# Altium PCB layout_test_slave1a.PcbDoc
Units mil, origin at the board's own origin, x right, y up, seen from the top; angles counter-clockwise.
Board outline 4310 x 3270 mil, 2 copper layers (Top Layer, Bottom Layer); 35 components, 20 nets, 122 pads, 16 vias.
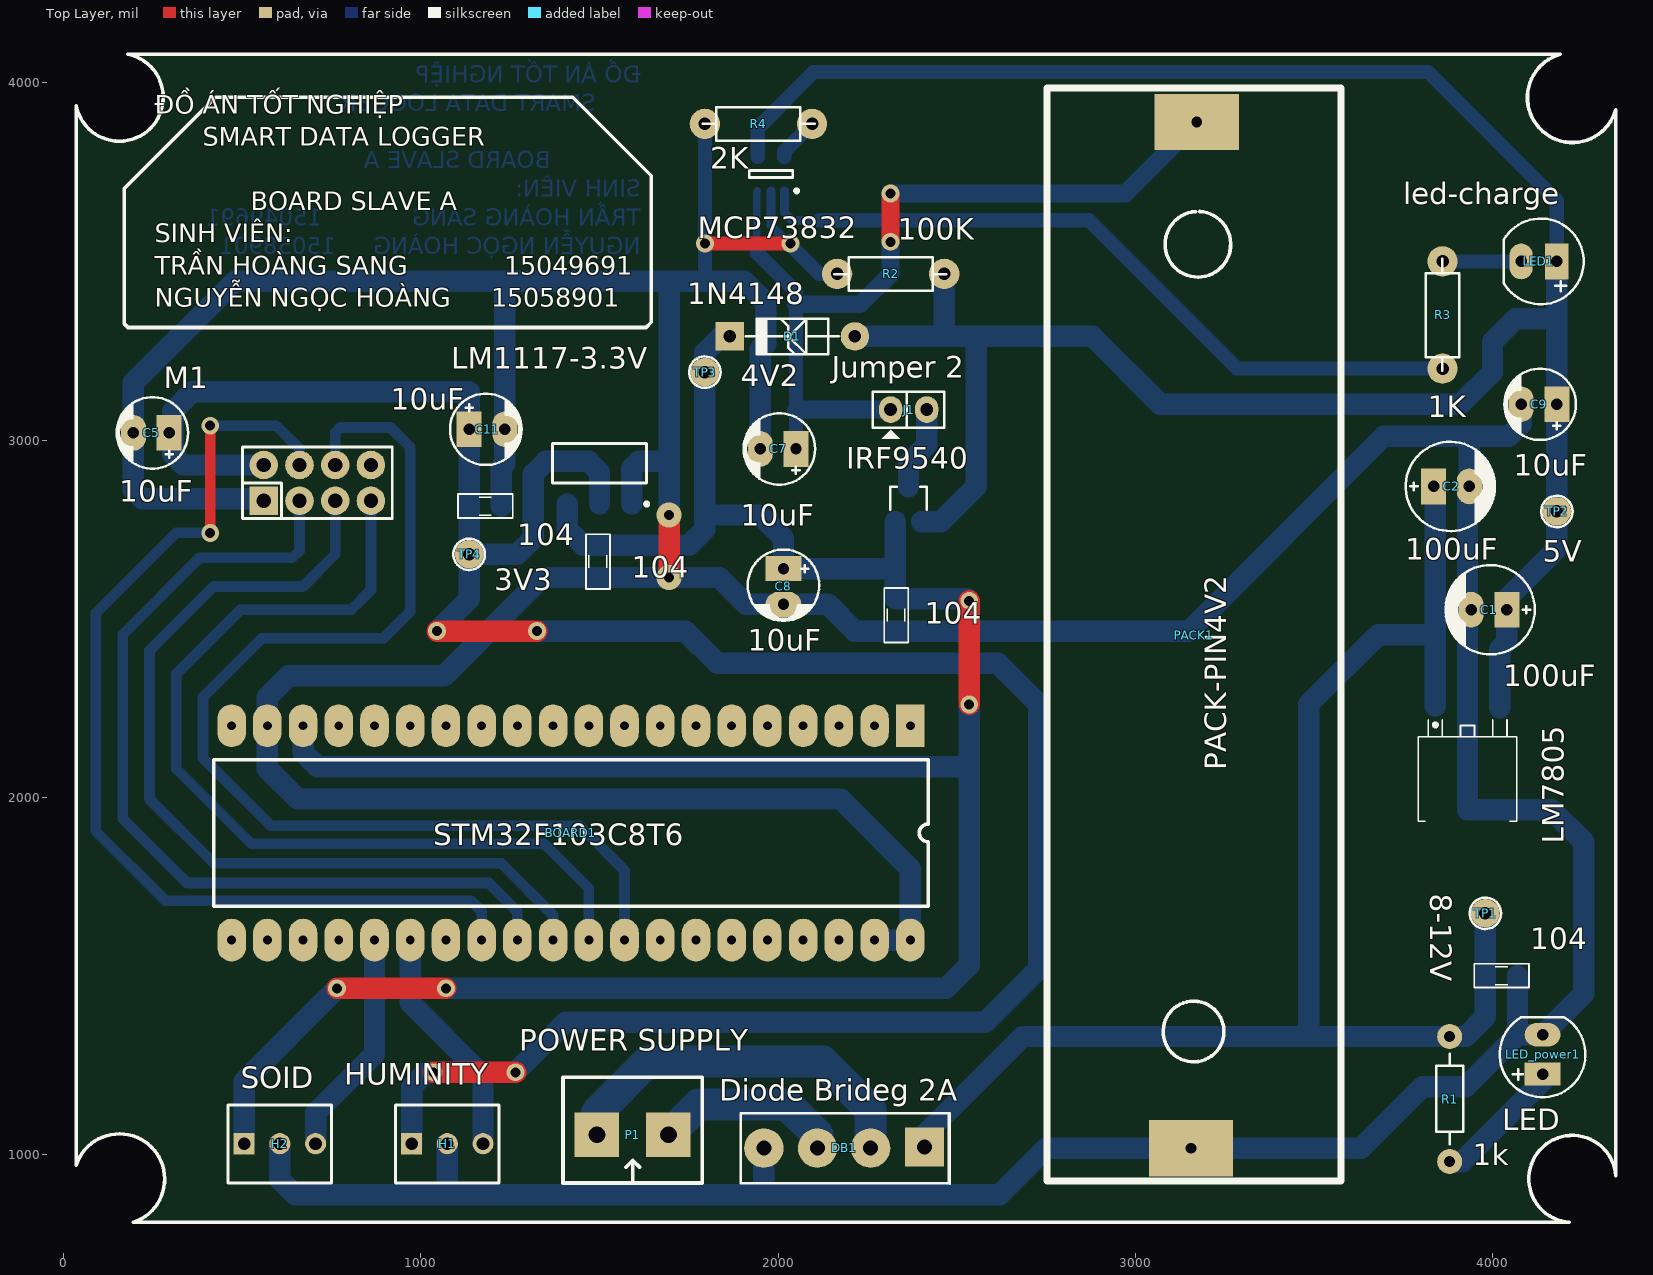
[diagram p0: Top Layer view]
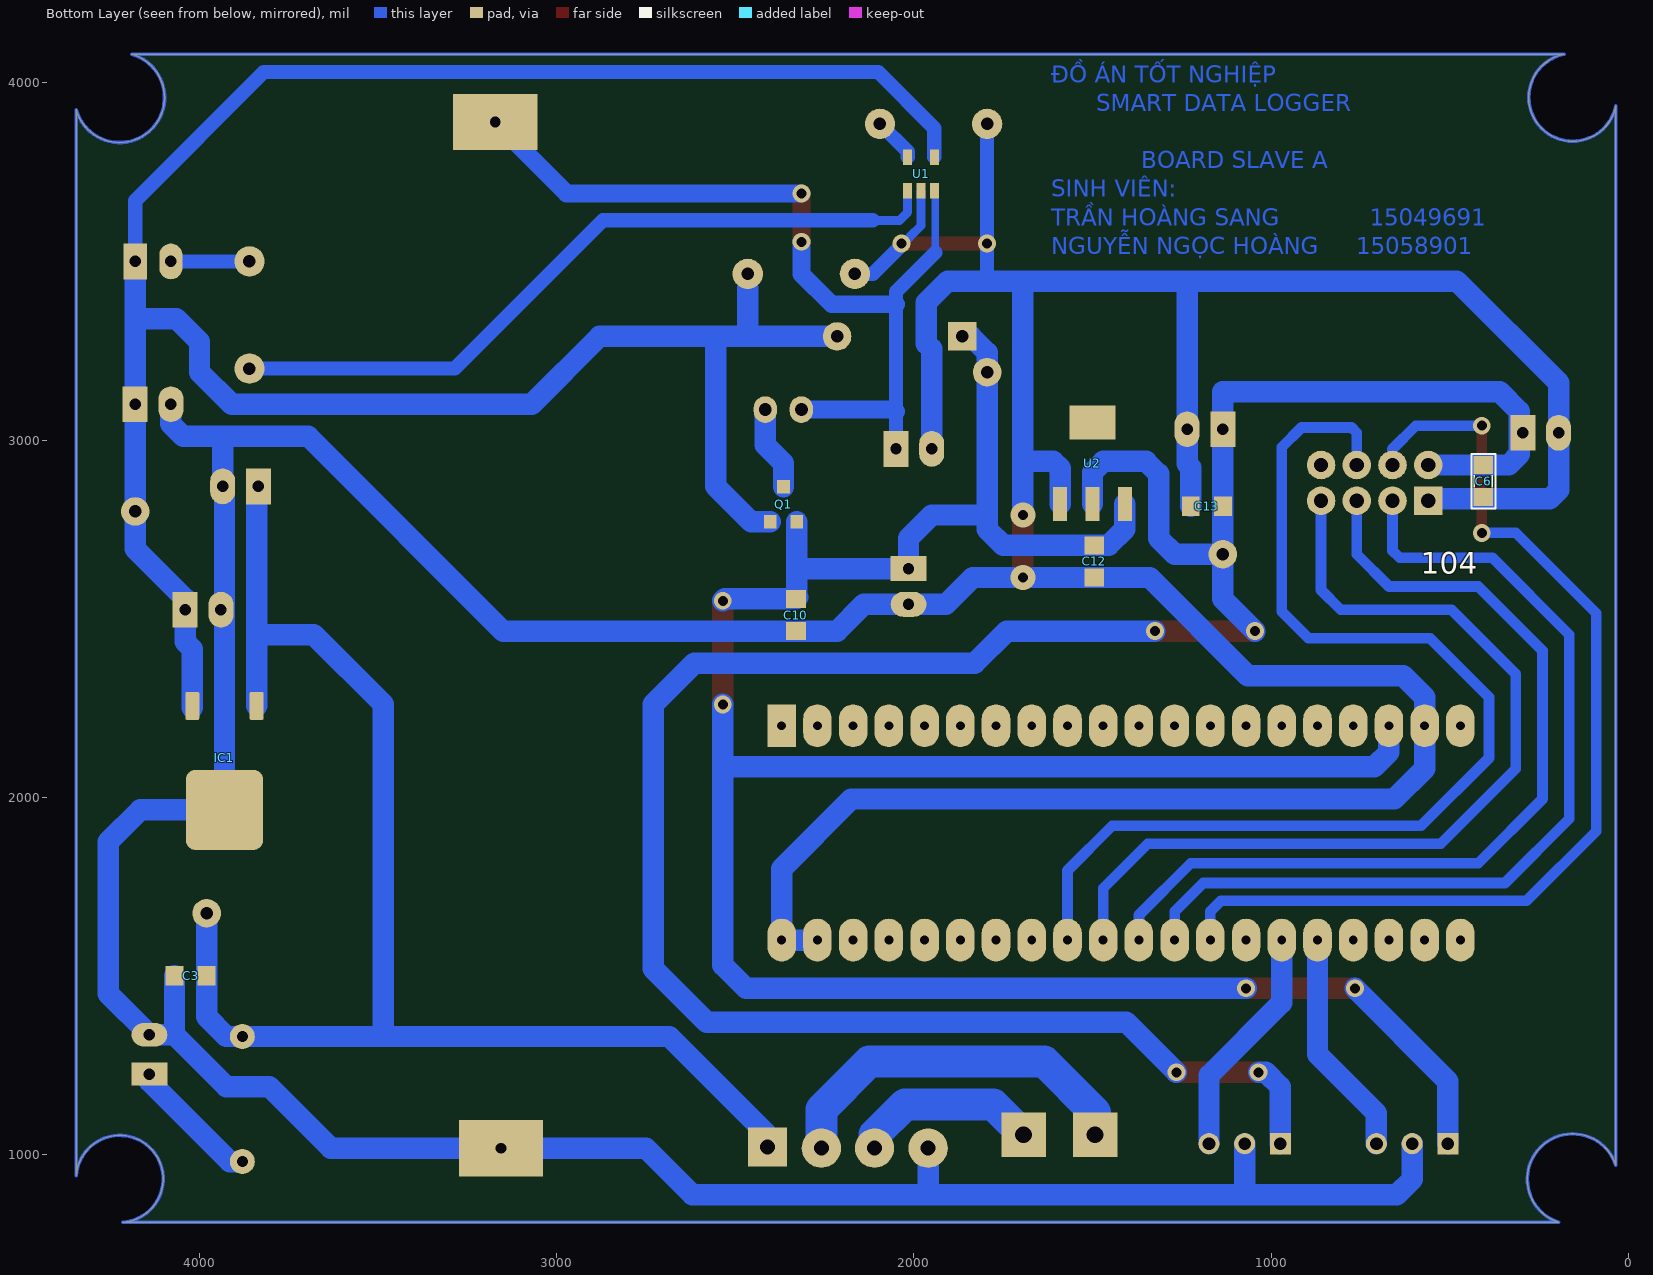
[diagram p1: Bottom Layer view, seen from below]

## Layer stack, top to bottom
Top Solder: solder mask 0.4, Solder Resist, Dk 3.5
Top Layer: signal copper 1.4
Dielectric 1: dielectric 12.6, FR-4, Dk 4.8
Bottom Layer: signal copper 1.4
Bottom Solder: solder mask 0.4, Solder Resist, Dk 3.5

## Board outline
195,810 4215,810 cw(c4223.55,931.45) 4345,940 4345,3925 cw(c4223.65,3958.65) 4190,4080 180,4080 cw(c155.56,3959.44) 35,3935 35,970 cw(c155.64,930.64)

## Design rules (kind name [scope] priority, off if disabled: settings)
Clearance [All] p1: gap=10
PolygonConnect [All] p1: connectstyle=Relief reliefconductorwidth=10 reliefentries=4 polygonreliefangle="90 Angle" airgapwidth=10
RoutingVias [All] p1: holewidth=28 width=50 viastyle="Through Hole" minholewidth=28 minwidth=50 maxholewidth=28 maxwidth=50
SolderMaskExpansion [All] p1: expansion=4
Width [All] p1: maxlimit=90 minlimit=10 preferedwidth=30
30 further rules are at their usual default settings.

## Components (designator, comment, footprint, x,y, rotation, side; value= is the part's Value field where it differs from the comment)
BOARD1 "STM32F103C8T6" "BOARD STM32F103C8T6 - duplicate" 2370,2200 r270 top
C1 "100uF" CP1/2.5 4040,2525 r180 top
C2 "100uF" CP1/2.5 3835,2870 r0 top
C3 "104" SM-CAP-0805#1 4070,1500 r180 top
C5 "10uF" CP1/2 295,3020 r180 top
C6 "104" SM-CAP-0805#2 406,2840 r90 bottom
C7 "10uF" CP1/2 2050,2975 r180 top
C8 "10uF" CP1/2 2015,2640 r270 top
C9 "10uF" CP1/2 4180,3100 r180 top
C10 "104" SM-CAP-0805#1 2330,2465 r90 top
C11 "10uF" CP1/2 1135,3030 r0 top
C12 "104" SM-CAP-0805#1 1495,2615 r90 top
C13 "104" SM-CAP-0805#1 1225,2815 r180 top
D1 "1N4148" DZ1A 2215,3290 r0 top
DB1 "Diode Brideg 2A" "DIO-Bri 2A" 2410,1018.5 r180 top
H1 "HUMINITY" HDR3 973.83,1029.96 r0 top
H2 "SOID" HDR3 505,1029.96 r0 top
IC1 "LM7805" TO252-123 3930,2110 r0 top
J1 "Jumper 2" JP2 2315,3085 r0 top
LED1 "led-charge" LED-5-BLUE#1 4135,3500 r180 top
LED_power1 "LED" LED-5-BLUE#2 4140,1280 r90 top
M1 "NRF24L01" NRF24L01 710,2880 r0 top
P1 "POWER SUPPLY" "Medium - Header 2" 1592.67,1055 r180 top
PACK1 "PACK-PIN4V2" "battery holder" 3170,2445 r90 top
Q1 "IRF9540" SOT23-123 2365,2820 r180 top
R1 "1k" R1/4W 3880,980 r90 top
R2 "100K" RES-1/4W-SMALL 2305,3465 r0 top
R3 "1K" RES-1/4W-SMALL 3860,3360 r270 top
R4 "2K" RES-1/4W-SMALL 1955,3885 r180 top
TP1 "8-12V" TP1 3980,1675 r180 top
TP2 "5V" TP1 4180,2800 r270 top
TP3 "4V2" TP1 1795,3190 r180 top
TP4 "3V3" TP1 1135,2680 r90 top
U1 "MCP73832" SOT-23-OT5_N 1980,3745 r90 top
U2 "LM1117-3.3V" SOT223 1500,2935 r180 top

## Footprints (in the part's own frame and the unit in brackets; to place one, negate y for a bottom-side part, rotate by r counter-clockwise, add the part's x,y. Pads: shape width x height; smd on the part's side, far side on the other; paste and mask are expansions set on the pad)
"battery holder" [mil]
  rect 157.48x236.22 hole 30: 1(1445,-2) 2(-1428,14)
  silkscreen extent -1519,-406 1540,417, body extent -1531,-561 1571,573, height 1201
"BOARD STM32F103C8T6 - duplicate" [mil]
  rect 120x80 hole 25: 1(0,0)
  oval 120x80 hole 25: 2(0,-100) 3(0,-200) 4(0,-300) 5(0,-400) 6(0,-500) 7(0,-600) 8(0,-700) 9(0,-800) 10(0,-900) 11(0,-1000) 12(0,-1100) 13(0,-1200) 14(0,-1300) 15(0,-1400) 16(0,-1500) 17(0,-1600) 18(0,-1700) 19(0,-1800) 20(0,-1900) 21(600,-1900) 22(600,-1800) 23(600,-1700) 24(600,-1600) 25(600,-1500) 26(600,-1400) 27(600,-1300) 28(600,-1200) 29(600,-1100) 30(600,-1000) 31(600,-900) 32(600,-800) 33(600,-700) 34(600,-600) 35(600,-500) 36(600,-400) 37(600,-300) 38(600,-200) 39(600,-100) 40(600,0)
  silkscreen extent 95,-1950 505,50, body extent -150,-2130 750,136, height 475
CP1/2 [mil] "Tu hoa < 22uF/16>50V"
  rect 70x100 hole 32: 1(0,0)
  oval 70x100 hole 32: 2(100,0)
  silkscreen extent -53,-100 147,100, body extent -49,-99 149,99, height 287
CP1/2.5 [mil] "Tu hoa 33 >100 uF,50V, 220uF/16V,25V"
  rect 70x100 hole 32: 1(0,0)
  oval 70x100 hole 32: 2(100,0)
  silkscreen extent -78,-125 172,125, body extent -76,-124 172,124, height 422
"DIO-Bri 2A" [mil] "CAU 2A DET"
  rect 110x110 hole 42: 1(0,-2)
  round 110 hole 42: 2(151,1) 3(300,1) 4(450,1)
  silkscreen extent -70,-97 515,100, body extent -62,-95 512,102, height 650
DZ1A [mil] "Diode 1A, W 100mil, L 350mil"
  round 80 hole 35: 1(0,0)
  rect 80x80 hole 35: 2(-350,0)
  silkscreen extent -305,-50 -45,50, body extent -346,-65 -15,40, height 121
HDR3 [mm] "Connector; Header; 3 Position"
  rect 1.5x1.5 hole 0.9: 1(0,0)
  round 1.5 hole 0.9: 2(2.54,0) 3(5.08,0)
  silkscreen extent -1.14,-2.79 6.22,2.74, body extent -1.27,-2.92 6.35,2.88, height 11.72
JP2 [mil]
  oval 65x75 hole 36: 1(0,0) 2(101,0)
  silkscreen extent -50,-81 150,50, body extent -48,-50 148,48, height 323
LED-5-BLUE#1 [mil] "LED 2 PIN, 5 ly , Only colour, pin to pin 110mil"
  rect 65x100 hole 32: 1(-45,0)
  oval 65x100 hole 32: 2(55,0)
  silkscreen extent -120,-120 104,120, body extent -113,-120 100,117, height 339
LED-5-BLUE#2 [mil] "LED 2 PIN, 5 ly , Only colour, pin to pin 110mil"
  rect 65x100 hole 32: 1(-55,0)
  oval 65x100 hole 32: 2(55,0)
  silkscreen extent -120,-120 104,120, body extent -113,-120 100,117, height 339
"Medium - Header 2" [mm]
  rect 3.175x3.175 hole 1.2: 1(-2.54,0) 2(2.54,0)
  silkscreen extent -4.95,-4.08 4.95,3.43, body extent -5,-4.07 5,3.43, height 10
NRF24L01 [mil]
  rect 80x80 hole 40.16: 1(-150,-50)
  round 80 hole 40.16: 2(-50,-50) 3(50,-50) 4(150,-50) 5(150,50) 6(50,50) 7(-50,50) 8(-150,50)
  silkscreen extent -210,-100 210,100, body extent -230,-110 360,1032, height 606
R1/4W [mil] "R 1/4W, 2 Pin, 350mil"
  round 70 hole 31: 1(0,0) 2(350,0)
  silkscreen extent 48,-38 302,38, body extent -40,-47 386,47, height 111
RES-1/4W-SMALL [mil]
  round 85 hole 35: 1(-140,0) 2(160,0)
  silkscreen extent -148,-47 166,47, body extent -152,-47 172,47, height 97
SM-CAP-0805#1 [mil]
  rect 50x55 smd far side: 1(0,0) 2(90,0)
  silkscreen extent -32,-34 121,33, body extent 6,-25 84,25, height 31
SM-CAP-0805#2 [mil]
  rect 50x55 smd: 1(0,0) 2(90,0)
  silkscreen extent -32,-34 121,33, body extent 6,-25 84,25, height 31
SOT23-123 [mm] "SOT23, 1=bottom-left, 2=top, 3=bottom-right"
  rect 0.9x0.95 smd far side: 1(-0.95,1.25) 2(0,-1.25)
  rect 0.9x0.95 smd far side mask+0: 3(0.95,1.25)
  silkscreen extent -1.3,-1.25 1.3,0.38, body extent -1.52,-1.27 1.48,1.23, height 1.06
SOT223 [mm]
  rect 1x2.4 smd far side: 1(-2.3,2.9) 2(0,2.9) 3(2.3,2.9)
  rect 3.3x2.4 smd far side: 4(0,-2.9)
  silkscreen extent -3.48,-1.4 3.35,3.02, body extent -3.25,-3.4 3.25,3.56, height 1.56
SOT-23-OT5_N [mm] "SOT23, 5-Leads, Body 2.9x1.6mm, Pitch 0.95mm, Lead Span 2.7mm, IPC Medium Density"
  rect 1.1x0.65 smd far side: 1(-1.2,-0.95) 2(-1.2,0) 3(-1.2,0.95) 4(1.2,0.95) 5(1.2,-0.95)
  silkscreen extent -1.32,-1.95 0.25,1.55, body extent -0.9,-1.55 0.9,1.55, height 1.45
TO252-123 [mm]
  round 0.5 on Mech15: 0(0,0)
  rrect25% 1x2 smd far side: 1(-2.285,3.7) 3(2.285,3.7)
  rrect25% 5.5x5.7 smd far side: 2(0,-3.7)
  silkscreen extent -3.5,-4.5 3.5,2.7, body extent -3.3,-5.76 3.3,3.95, height 2.31
TP1 [mil] "Test point"
  round 80 hole 35: 1(0,0)
  silkscreen extent -44,-44 44,44, body extent -50,-50 50,50, height 178

## Part data
BOARD1: library part "board stm32f103c8t6"
C1 C2: library part CP2, "C 47uF/50V , 220uF/16V"
C3 C6 C10 C12 C13: library part CN
C5 C7 C8 C9 C11: library part CP1, "Cap P  0,1uF < 22uF , 16 - 50V"
D1: library part DZ, "Diode Zenner"
DB1: library part "DIODE BRIGDE", "Convert AC to DC voltage, 4 pin"
H1 H2: library part Header3, "Header IDC, 3 x 1 Pin Vertical 2.54mm Pitch (Non-Boxed, Male)"
IC1: library part LM78xx, "Positive Voltage Regulator"
J1: library part "JP 2"
LED1: library part LED, "LED Single colour Green and Red"
LED_power1: "LED Single colour Green and Red"
P1: library part "Header 2 - M", "Header, 2-Pin, Medium"
PACK1: library part "pack pin 4V2"
Q1: "HEXFET P-Channel Power MOSFET"
R1: library part R1/4W, "Resistor 1/4W"
R2 R3 R4: library part Res, "Res"
TP1 TP2 TP3 TP4: library part TP1, "Test Point"
U1: library part MCP73831T-3ACI/OT, "Miniature Single-Cell, Fully Integrated Li-Ion, Li-Polymer Charge Management Controller, 4.35V, 5-Pin SOT-23, Industrial Temperature, Tape and Reel"
U2: library part LM1117, "800mA Low-Dropout Linear Regulator"

## Via types
v1: diameter 50, hole 28, Top Layer to Bottom Layer, 14 vias
v2: diameter 70, hole 28, Top Layer to Bottom Layer, 2 vias

## Nets (pads, with @x,y where several pads share a name; then routed paths per layer and width w, separated by ;. In a path a pad name is that pad's centre, name@x,y a point inside that pad or via, vN(x,y) a via of type N, cw(c..) or ccw(c..) an arc to the next point about the centre after c; other vN are vias at no path point)
3V3: C5.1 C6.2 C11.1 C13.2 H1.1 M1.8 TP4.1 U2.2 | length 7189.4
  Top Layer w60: v1(1035,1230) v1(1265,1230) ; v1(1045,2465) v1(1325,2465)
  Bottom Layer w60: M1.8 335,2930 305,2960 305,3080 360,3135 1135,3135 C11.1 C13.2 TP4.1 ; H1.1 973.83,1188.83 1015,1230 v1(1035,1230) ; v1(1045,2465) 1135,2555 TP4.1 ; v1(1265,1230) 1405,1370 2580,1370 2730,1520 2730,2260 2615,2375 1830,2375 1740,2465 v1(1325,2465) ; U2.2 1500,2910 1470,2940 1350,2940 1315,2905 1315,2725 1270,2680 TP4.1
4V3-LOAD: BOARD1.18 C8.1 C10.2 C12.2 D1.2 H2.1 Q1.3 TP3.1 U2.3 | length 7429.4
  Top Layer w60: v1(765,1465) v1(1070,1465) ; v1(2535,2260) v1(2535,2550)
  Bottom Layer w60: H2.1 505,1205 v1(765,1465) ; BOARD1.18 670,2126 711,2085 2525,2085 2535,2095 ; v1(1070,1465) 2470,1465 2535,1530 2535,2095 ; U2.3 1409.45,2750.55 1455,2705 C12.2 1750,2705 1795,2750 1795,2790 ; TP3.1@1795,3180 1795,2790 ; TP3.1 1795,3245 D1.2@1840,3290 ; C10.2@2325,2560 2327.6,2562.6 2327.6,2650 ; Q1.3 2327.6,2650 ; C10.2 2530,2555 v1(2535,2550) ; v1(2535,2260) 2535,2095 ; 1795,2790 1950,2790 2015,2725 C8.1 2317.6,2640 2327.6,2650
5V: C1.1 C9.1 D1.1 IC1.3 LED1.1 Q1.1 R2.2 TP2.1 U1.4 | length 6919.9
  Bottom Layer w40: U1.4 1942.6,3872.6 2100,4030 3820,4030 4180,3670 LED1.1
  Bottom Layer w60: D1.1 2880,3290 3070,3100 3910,3100 4000,3190 4000,3275 4065,3340 4180,3340 ; Q1.1 2455.79,2770.79 2555,2870 2555,3285 ; 2465,3320 R2.2@2465,3425 ; IC1.3@4019.96,2250.04 IC1.3 4019.96,2415 4040,2435.04 C1.1 4040,2555 4180,2695 TP2.1 C9.1@4180,3095 ; C9.1 4180,3340 ; LED1.1 4180,3340
GND: BOARD1.19 BOARD1.39 BOARD1.40 C1.2 C2.2 C3.1 C5.2 C6.1 C7.2 C8.2 C9.2 C10.1 C11.2 C12.1 C13.1 DB1.4 H1.2 H2.2 IC1.2 LED_power1.2 M1.1 PACK1.2 R2.1 R4.2 U1.2 U2.1 | length 18336.7
  Top Layer w40: v1(1795,3550) v1(2035,3550)
  Top Layer w60: v2(1695,2615) v2(1695,2790)
  Bottom Layer w25: U1.2 1980,3600 2012.5,3567.5
  Bottom Layer w40: R4.2 v1(1795,3550) 1795,3455 1805,3445 ; v1@2032.5,3547.5 2115,3465 R2.1
  Bottom Layer w60: M1.1@560,2835 220,2835 195,2860 195,3160 480,3445 1695,3445 1695,2940 ; H2.2 605,930 648,887 2620,887 2750,1017 PACK1.2 3632,1017 3805,1190 3925,1190 4070,1335 ; 1073.83,893.17 H1.2 ; C13.1 1225,2923 1235,2933 C11.2 1235,3430 ; U2.1 1590.55,2920.55 1610,2940 1695,2940 ; v2(1695,2790) 1695,2940 ; 1700,3445 1805,3445 1905,3445 1965,3385 1965,3270 1950,3255 C7.2 ; 1960,902 DB1.4 ; BOARD1.39 BOARD1.40 2370,1800 2175,1995 655,1995 570,2080 BOARD1.19 570,2280 630,2340 1065,2340 1340,2615 C12.1 v2(1695,2615) 1835,2615 1910,2540 C8.2 2140,2540 2215,2465 C10.1 3150,2465 3695,3010 3950,3010 ; C3.1 4070,1335 ; C9.2 4080,3045 4045,3010 3950,3010 ; 3950,3010 3935,2995 C2.2 3930,2865 IC1.2 4165.67,1964.33 4255,1875 4255,1450 LED_power1.2 4070,1335
NetBOARD1_25: BOARD1.25 H2.3 | length 638.4
  Bottom Layer w60: H2.3 705,1115 870,1280 BOARD1.25
NetBOARD1_26: BOARD1.26 H1.3 | length 654.5
  Bottom Layer w60: BOARD1.26 970,1425 1173.83,1221.17 H1.3
NetBOARD1_28: BOARD1.28 M1.7 | length 2898.3
  Top Layer w30: v1(410,2740) v1(410,3040)
  Bottom Layer w30: v1(410,2740) 315,2740 90,2515 90,1905 285,1710 1140,1710 1170,1680 BOARD1.28 ; v1(410,3040) 595,3040 660,2975 M1.7
NetBOARD1_29: BOARD1.29 M1.2 | length 2545
  Bottom Layer w30: M1.2@660,2835 660,2690 640,2670 380,2670 165,2455 165,1940 345,1760 1190,1760 1270,1680 BOARD1.29
NetBOARD1_30: BOARD1.30 M1.3 | length 2536.5
  Bottom Layer w30: M1.3@760,2835 760,2680 670,2590 420,2590 240,2410 240,1995 420,1815 1225,1815 1370,1670 BOARD1.30
NetBOARD1_31: BOARD1.31 M1.4 | length 2601.1
  Bottom Layer w30: M1.4@860,2835 860,2580 805,2525 495,2525 315,2345 315,2080 525,1870 1345,1870 1470,1745 BOARD1.31
NetBOARD1_32: BOARD1.32 M1.6 | length 3138.9
  Bottom Layer w30: M1.6@760,2935 760,3020 775,3035 915,3035 970,2980 970,2520 895,2445 555,2445 390,2280 390,2110 580,1920 1445,1920 1570,1795 BOARD1.32
NetC2_1: C2.1 C3.2 DB1.1 IC1.1 R1.2 TP1.1 | length 3988.4
  Bottom Layer w60: DB1.1 2410,1055 2685,1330 3485,1330 ; 3815,2455 3680,2455 3485,2260 3485,1330 ; C2.1 3840.04,2864.96 IC1.1 ; TP1.1 C3.2 3980,1385 3925,1330 R1.2 3485,1330
NetC7_1: C7.1 J1.1 PACK1.1 U1.3 | length 2501.5
  Top Layer w50: v1(2315,3555) v1(2315,3690)
  Bottom Layer w20: 1940,3525 1940,3695.16 U1.3
  Bottom Layer w40: 1940,3525 2050,3415 2050,3380 2050,3080 C7.1
  Bottom Layer w50: 2050,3080 2055,3085 J1.1 ; 2050,3380 2230,3380 2315,3465 v1(2315,3555) ; v1(2315,3690) 2972,3690 PACK1.1
NetDB1_2: DB1.2 P1.2 | length 1052
  Bottom Layer w90: P1.2 1492.67,1117.67 1635,1260 2125,1260 2259,1126 DB1.2
NetDB1_3: DB1.3 P1.1 | length 525.2
  Bottom Layer w90: P1.1 1777.67,1140 2025,1140 2110,1055 DB1.3
NetJ1_2: J1.2 Q1.2 | length 236.9
  Bottom Layer w60: Q1.2 2365,2935 2416,2986 J1.2
NetLED1_2: LED1.2 R3.1 | length 220
  Bottom Layer w40: R3.1 LED1.2
NetLED_power1_1: LED_power1.1 R1.1 | length 373.2
  Bottom Layer w60: R1.1 3915,980 4140,1205 LED_power1.1
NetR3_2: R3.2 U1.1 | length 2084
  Bottom Layer w25: U1.1 2017.4,3637.6 2040,3615 2115,3615
  Bottom Layer w40: 2115,3615 2870,3615 3285,3200 R3.2
NetR4_1: R4.1 U1.5 | length 124.9
  Bottom Layer w40: U1.5 2017.4,3807.4 R4.1
pads on no net: BOARD1.1 BOARD1.2 BOARD1.3 BOARD1.4 BOARD1.5 BOARD1.6 BOARD1.7 BOARD1.8 BOARD1.9 BOARD1.10 BOARD1.11 BOARD1.12 BOARD1.13 BOARD1.14 BOARD1.15 BOARD1.16 BOARD1.17 BOARD1.20 BOARD1.21 BOARD1.22 BOARD1.23 BOARD1.24 BOARD1.27 BOARD1.33 BOARD1.34 BOARD1.35 BOARD1.36 BOARD1.37 BOARD1.38 IC1.0 M1.5 U2.4
copper on no net: | length 16110.3
  Bottom Layer w10: 35,970 cw(c155.64,930.64) 195,810 4215,810 cw(c4223.55,931.45) 4345,940 4345,3925 cw(c4223.65,3958.65) 4190,4080 180,4080 cw(c155.56,3959.44) 35,3935 35,970

## Other copper
Bottom Layer:
  text "ĐỒ ÁN TỐT NGHIỆP   /       SMART DATA LOGGER /        /             BOARD SLAVE A / SINH VIÊN: / TRẦN HOÀNG SANG            15049691 / NGUYỄN NGỌC HOÀNG     15058901" at 1615,3505 h80

## Silkscreen, mask and mechanical layers (free items; w line width, h text height)
Top Overlay:
  lines w10: 35,970 cw(c155.64,930.64) 195,810 4215,810 cw(c4223.55,931.45) 4345,940 4345,3925 cw(c4223.65,3958.65) 4190,4080 180,4080 cw(c155.56,3959.44) 35,3935 35,970 ; 170,3325 180,3315 1630,3315 1645,3330 1645,3740 1425,3960 1090,3960 425,3960 170,3705 170,3325
  text "ĐỒ ÁN TỐT NGHIỆP   /       SMART DATA LOGGER /        /             BOARD SLAVE A / SINH VIÊN: / TRẦN HOÀNG SANG            15049691 / NGUYỄN NGỌC HOÀNG     15058901" at 255,3355 h90